# Altium PCB 400389.PcbDoc (part 3 of 8)
Units mm, origin at the board's own origin, x right, y up, seen from the top; angles counter-clockwise.
Board outline 155 x 63.5 mm, 4 copper layers (Top Layer, Mid-Layer 1, Mid-Layer 2, Bottom Layer), stack 1.54 mm thick; 437 components, 325 nets, 2173 pads, 2226 vias.
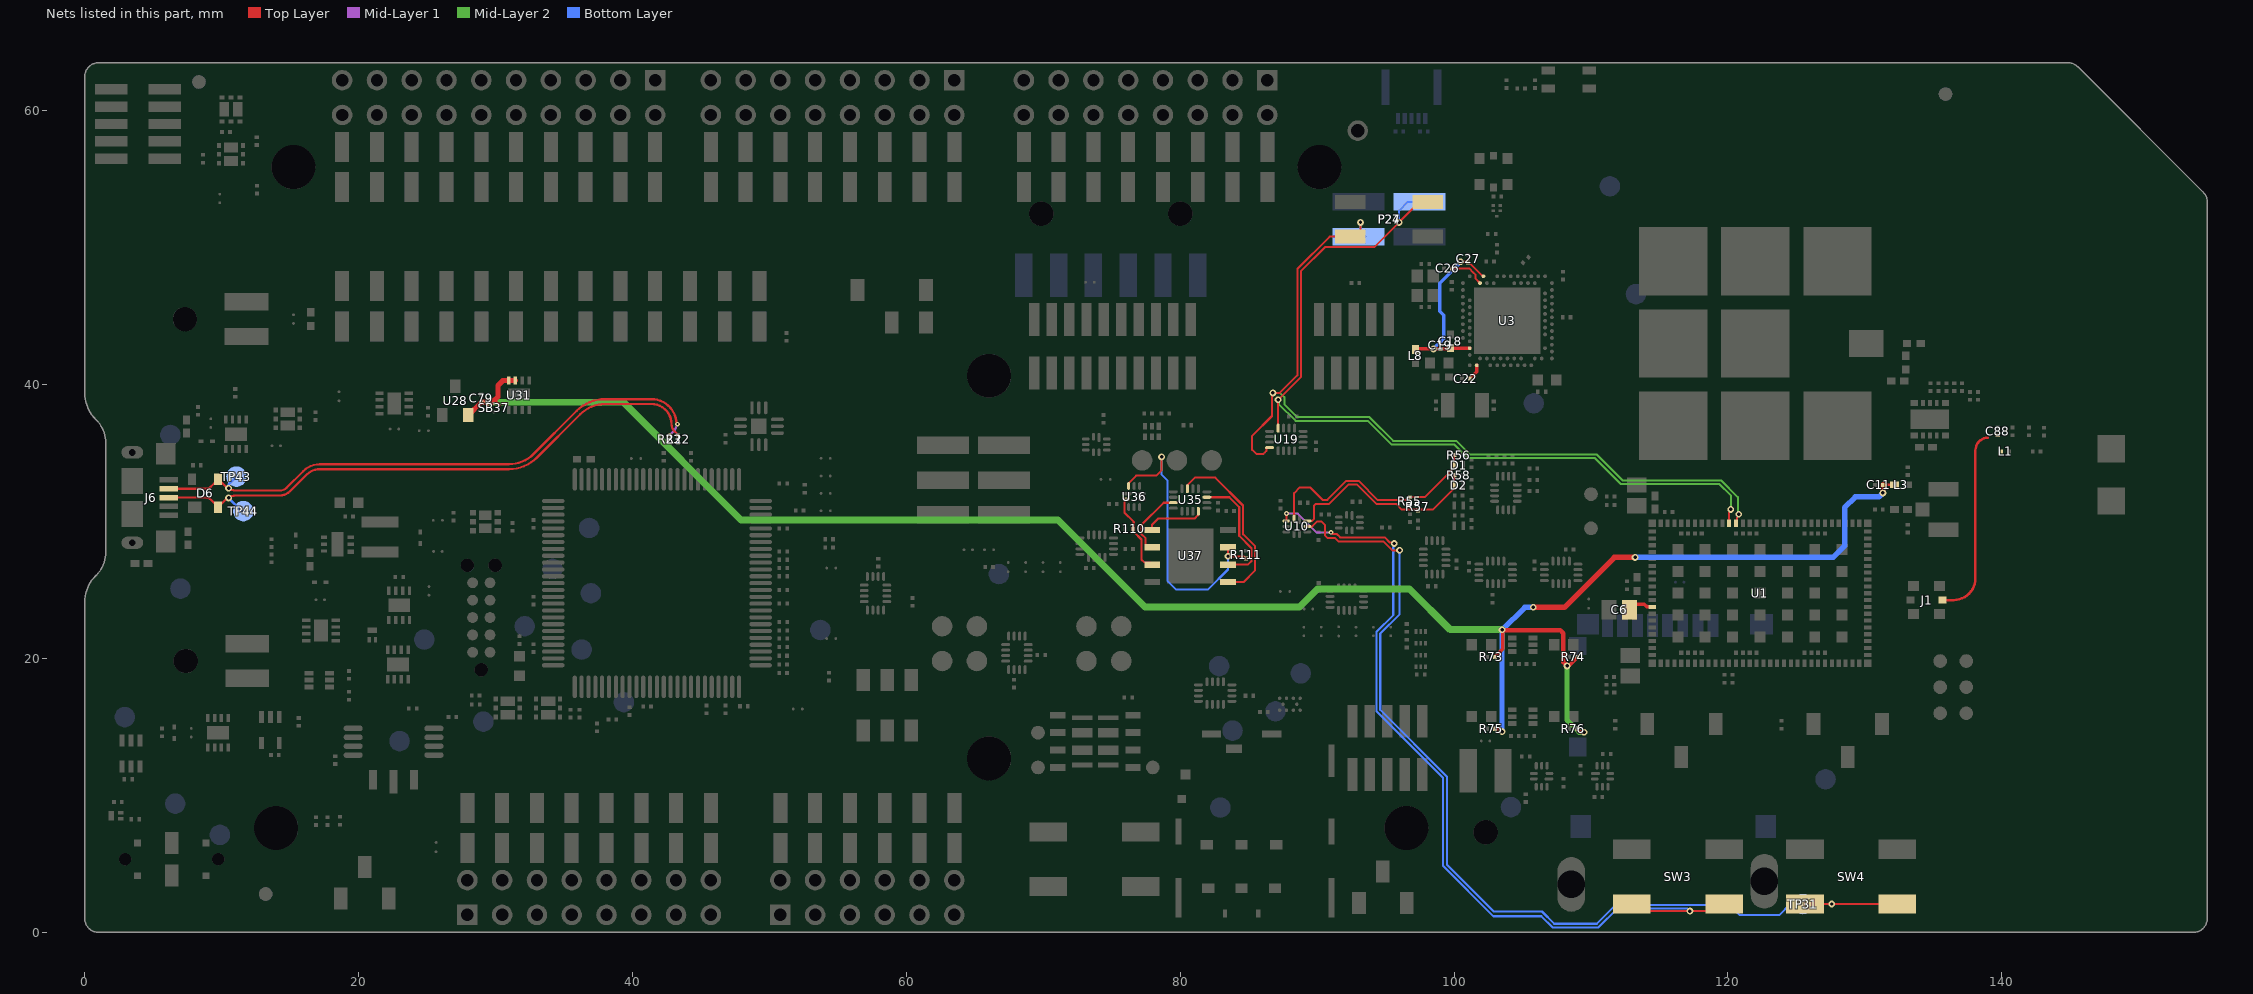
[diagram p5: the nets of this part, all layers, seen from the top]

## Part data (continued)
SW3 SW4 SW5: library part Switch-PB-6.2x6.3mm-SMD, "Tactile Switch, SPNO, SMD, 160gf, 6.2x6.3x2.5mm", Manufacturer=Dailywell, Manufacturer Part Number=TS604VM1-025BR-R, Part number IPS=00000007812, Part number Norautron=N.A., Artikkelnr Noca=50019106, Author=rsk, Component Class=Switches, ComponentLink1Description=Datasheet, ComponentLink1URL=N.A., ComponentLink2Description="Supplier link", ComponentLink2URL=N.A., Footprint Doc=Switch-PB-6.2x6.3mm-SMD, HelpURL=\\hizz\pro\app9717\Datasheet\switches\Dailywell\TS604VM1-025BR-R.pdf, LatestRevisionDate=2016-04-21, Note=N.A., Pad Count=4, Part Number=Switch-PB-6.2x6.3mm-SMD, PartId=101500001, Published=2010-02-01, Supplier 1=Cabcon, Supplier 2=Mouser, Supplier Part Number 1=TS604VM1-025BR-R, Supplier Part Number 2=688-SKHUALE010
SW6: "Slide Switch DPDT J Hook", Manufacturer="Copal Electronics Inc", Part number IPS=00000009983, Part number Norautron=N.A., Supplier Part Number 1=CAS220JTR-ND, Artikkelnr Noca=50019042, Author=rsk, Component Class=Switches, ComponentLink1Description=Datasheet, ComponentLink1URL=N.A., ComponentLink2Description="Supplier link", ComponentLink2URL=N.A., Footprint Doc=CAS-220TA, HelpURL=http://media.digikey.com/pdf/Data%20Sheets/COPAL%20Electronics%20PDFs/CAS%20SMD%20Slide%20Switch.pdf, LatestRevisionDate=2010-02-18, Manufacturer Part Number=CAS-220TA, Note=N.A., Pad Count=6, Part Number=CAS-220TA, PartId=101500003, Published=2010-02-18, Supplier 1=Digi-Key, Supplier 2=N.A., Supplier Part Number 2=N.A.
SW7 SW9: library part CJS-1200TA, "SMD slide Switch (ON-ON)", Manufacturer="Copal Electronics Inc", Part number IPS=00000009982, Part number Norautron=N.A., Supplier Part Number 1=563-1021-2-ND, Artikkelnr Noca=50019068, Author=rsk, Component Class=Switches, ComponentLink1Description=Datasheet, ComponentLink1URL=N.A., ComponentLink2Description="Supplier link", ComponentLink2URL=N.A., Footprint Doc=CJS-120xA, HelpURL=http://media.digikey.com/pdf/Data%20Sheets/COPAL%20Electronics%20PDFs/CJS.pdf, LatestRevisionDate=2012-10-03, Manufacturer Part Number=CJS-1200TA, Note=N.A., Pad Count=3, Part Number=CJS-1200TA, PartId=101500005, Published=2012-10-03, Supplier 1=Digi-Key, Supplier 2=N.A., Supplier Part Number 2=N.A.
SW8: library part Switch-Slide-RA-J-Lead-DPDT-8.5x3.5mm_C&K, "SMD slide Switch (ON-ON)", Manufacturer=C&K, Manufacturer Part Number=JS202011JAQN, Part number IPS=00000007811, Part number Norautron=N.A., Supplier Part Number 1=CKN10722CT-ND, Artikkelnr Noca=N.A., Author=rsk, Component Class=Switches, ComponentLink1Description=Datasheet, ComponentLink1URL=N.A., ComponentLink2Description="Supplier link", ComponentLink2URL=N.A., Footprint Doc=Switch-Slide-RA-J-Lead-DPDT-8.5x3.5mm, HelpURL=http://www.ck-components.com/media/1422/js.pdf, LatestRevisionDate=2017-02-01, Note=N.A., Pad Count=6, Part Number=Switch-Slide-RA-J-Lead-DPDT-8.5x3.5mm_C&K, PartId=101500037, Published=2016-09-15, Supplier 1=Digi-Key, Supplier 2=Mouser, Supplier Part Number 2=611-JS202011JAQN
TP2 TP3 TP4 TP5 TP6 TP7 TP8 TP9 TP34 TP35 TP36: library part TP_SMD_Ø1.0MM, "1.0mm circular SMD testpad", Manufacturer="Nordic Semiconductor", Manufacturer Part Number=N.A., Artikkelnr Noca=N.A., Author=rsk, Component Class=Connectors, ComponentLink1Description=Datasheet, ComponentLink1URL=N.A., ComponentLink2Description="Supplier link", ComponentLink2URL=N.A., Footprint Doc=TP_SMD_Ø1.0mm, HelpURL=N.A., LatestRevisionDate=2021-03-05, Note=N.A., Pad Count=1, Part Number=TP_SMD_Ø1.0MM, Part number IPS=N.A., Part number Norautron=N.A., PartId=100500475, Published=2013-06-11, Supplier 1=N.A., Supplier 2=N.A., Supplier Part Number 1=N.A., Supplier Part Number 2=N.A.
TP10 TP11 TP12 TP13 TP14 TP15 TP16 TP17 TP18 TP19 TP20 TP21 TP22 TP23 TP24 TP25 TP26 TP27 TP29 TP31 TP32 TP33 TP37 TP38 TP39 TP40 TP41 TP42 TP43 TP44 TP45 TP46 TP47 TP48 TP49 TP50 TP53 TP54 TP55 TP56 TP57: library part TP_SMD_Ø1.5MM, "1.5mm circular SMD testpad", Manufacturer="Nordic Semiconductor", Manufacturer Part Number=N.A., Artikkelnr Noca=N.A., Author=rsk, Component Class=Connectors, ComponentLink1Description=Datasheet, ComponentLink1URL=N.A., ComponentLink2Description="Supplier link", ComponentLink2URL=N.A., Footprint Doc=TP_SMD_Ø1.5mm, HelpURL=N.A., LatestRevisionDate=2021-03-05, Note=N.A., Pad Count=1, Part Number=TP_SMD_Ø1.5MM, Part number IPS=N.A., Part number Norautron=N.A., PartId=100500477, Published=2016-06-02, Supplier 1=N.A., Supplier 2=N.A., Supplier Part Number 1=N.A., Supplier Part Number 2=N.A.
TP51: library part "Testpoint TH", "Testpoint, through hole", Manufacturer=N.A., Artikkelnr Noca=N.A., Author=rsk, Component Class=Connectors, ComponentLink1Description=Datasheet, ComponentLink1URL=N.A., ComponentLink2Description="Supplier link", ComponentLink2URL=N.A., Footprint Doc=TESTPAD-TH, HelpURL=N.A., LatestRevisionDate=2009-12-12, Manufacturer Part Number=N.A., Note=N.A., Pad Count=1, Part Number="Testpoint TH", Part number IPS=N.A., Part number Norautron=N.A., PartId=100500464, Published=2009-12-12, Supplier 1=N.A., Supplier 2=N.A., Supplier Part Number 1=N.A., Supplier Part Number 2=N.A.
U1: "Low power System-in-Package with integrated LTE-M/NB-IoT modem and GPS", Manufacturer="Nordic Semiconductor", Part number IPS=80000002329, Part number Norautron=N.A., Artikkelnr Noca=N.A., Author=rsk, Component Class=nRF_Devices, ComponentLink1Description=Datasheet, ComponentLink1URL=N.A., ComponentLink2Description="Supplier link", ComponentLink2URL=N.A., Footprint Doc=LGA-161, HelpURL=N.A., LatestRevisionDate=2020-08-13, Manufacturer Part Number=nRF9160-SICAB1A, Note=N.A., Pad Count=161, Part Number=nRF9160-SICAB1A, PartId=102000165, Published=2020-08-13, Supplier 1="Nordic Semiconductor", Supplier 2=N.A., Supplier Part Number 1=nRF9160-SICAB1A, Supplier Part Number 2=N.A.
U2: "GNSS Low-Noise Amplifier Front-End Module with Integrated Pre-Filter and Post-Filter", Manufacturer=Skyworks, Part number IPS=00000002997, Part number Norautron=N.A., Supplier Part Number 1=863-2032-1-ND, Artikkelnr Noca=N.A., Author=rsk, Component Class=Misc_ICs, ComponentLink1Description=Datasheet, ComponentLink1URL=http://www.skyworksinc.com/uploads/documents/SKY65943_11_204404F.pdf, ComponentLink2Description="Supplier link", ComponentLink2URL=https://www.digikey.com/product-detail/en/skyworks-solutions-inc/SKY65943-11/863-2032-1-ND, Footprint Doc=MCM-10, HelpURL=http://www.skyworksinc.com/Product/3579/SKY65943-11, LatestRevisionDate=2019-04-16, Manufacturer Part Number=SKY65943-11, Note=N.A., Pad Count=10, Part Number=SKY65943-11, PartId=101900584, Published=2019-04-16, Supplier 1=Digi-Key, Supplier 2=Mouser, Supplier Part Number 2=873-SKY65943-11
U3: library part nRF52840-QIAAF0, "Multi-protocol Bluetooth Low Energy, IEEE 802.15.4, ANT and 2.4GHz proprietary system-on-chip", Manufacturer="Nordic Semiconductor", Part number IPS=80000002377, Part number Norautron=N.A., Artikkelnr Noca=N.A., Author=hany, Component Class=nRF_Devices, ComponentLink1Description=Datasheet, ComponentLink1URL=N.A., ComponentLink2Description="Supplier link", ComponentLink2URL=N.A., Footprint Doc=AQFN-73, HelpURL=N.A., LatestRevisionDate=2021-03-24, Manufacturer Part Number=nRF52840-QIAAF0, Note=N.A., Pad Count=73, Part Number=nRF52840-QIAAF0, PartId=102000222, Published=2021-03-24, Supplier 1="Nordic Semiconductor", Supplier 2=N.A., Supplier Part Number 1=nRF52840-QIAAF0, Supplier Part Number 2=N.A.
U4: "100MHz Cortex-M4F Performance MCU, 128kB Flash, 24kB SRAM, Full-Speed USB", Manufacturer="NXP Semiconductors", Part number IPS=00000001366, Part number Norautron=N.A., Supplier Part Number 1=MK22FN128VLL10-ND, Artikkelnr Noca=N.A., Author=rsk, Component Class=Misc_ICs, ComponentLink1Description=Datasheet, ComponentLink1URL=https://www.nxp.com/docs/en/data-sheet/K22P121M100SF9.pdf, ComponentLink2Description="Supplier link", ComponentLink2URL=https://www.digikey.no/products/en?keywords=MK22FN128VLL10, Footprint Doc=LQFP-100, HelpURL=https://www.nxp.com/part/MK22FN128VLL10#/, LatestRevisionDate=2021-02-13, Manufacturer Part Number=MK22FN128VLL10, Note=N.A., Pad Count=100, Part Number=MK22FN128VLL10, PartId=101900530, Published=2018-05-10, Supplier 1=Digi-Key, Supplier 2=Mouser, Supplier Part Number 2=841-MK22FN128VLL10
U5: "POWER DOWN FAULT PROTECTED,1.8VT", Manufacturer=Vishay, Manufacturer Part Number=DG2034EDN-T1-GE4, Part number IPS=00000001429, Part number Norautron=N.A., Supplier Part Number 1=DG2034EDN-T1-GE4CT-ND, Artikkelnr Noca=N.A., Author=rsk, Component Class=Misc_ICs, ComponentLink1Description=Datasheet, ComponentLink1URL=http://www.vishay.com/docs/73172/dg2034e.pdf, ComponentLink2Description="Supplier link", ComponentLink2URL=N.A., Footprint Doc=12-QFN, HelpURL=N.A., LatestRevisionDate=2018-05-30, Note=N.A., Pad Count=12, Part Number=DG2034EDN, PartId=101900536, Published=2018-05-30, Supplier 1=Digi-Key, Supplier 2=Mouser, Supplier Part Number 2=78-DG2034EDN-T1-GE4
U6 U7 U15 U16 U17 U18 U19 U35: "Data / Audio Low-Voltage Dual DPDT Analog Switch", Manufacturer="ON Semiconductor", Part number IPS=00000009986, Part number Norautron=N.A., Supplier Part Number 1=FSA2466UMXCT-ND, Artikkelnr Noca=15070069, Author=rsk, Component Class=Misc_ICs, ComponentLink1Description=Datasheet, ComponentLink1URL=N.A., ComponentLink2Description="Supplier link", ComponentLink2URL=N.A., Footprint Doc=UFQFN-16, HelpURL=https://www.onsemi.com/pub/Collateral/FSA2466-D.PDF, LatestRevisionDate=2019-05-15, Manufacturer Part Number=FSA2466UMX, Note=N.A., Pad Count=16, Part Number=FSA2466UMX, PartId=101900422, Published=2016-05-18, Supplier 1=Digi-Key, Supplier 2=Mouser, Supplier Part Number 2=512-FSA2466UMX
U8 U9 U10 U11 U14 U36: "Low-Voltage, Dual-SPDT analog Switch", Manufacturer="ON Semiconductor", Part number IPS=00000002998, Part number Norautron=N.A., Supplier Part Number 1=FSA2259UMXCT-ND, Artikkelnr Noca=N.A., Author=rsk, Component Class=Misc_ICs, ComponentLink1Description=Datasheet, ComponentLink1URL=N.A., ComponentLink2Description="Supplier link", ComponentLink2URL=N.A., Footprint Doc=UFQFN-10, HelpURL=https://www.onsemi.com/pub/Collateral/FSA2259-D.PDF, LatestRevisionDate=2019-05-15, Manufacturer Part Number=FSA2259UMX, Note=N.A., Pad Count=10, Part Number=FSA2259UMX, PartId=101900423, Published=2019-05-15, Supplier 1=Digi-Key, Supplier 2=N.A., Supplier Part Number 2=N.A.
U12 U21: library part NX3DV2567GU, "Low-ohmic four-pole double-throw analog switch", Manufacturer="NXP Semiconductors", Part number IPS=00000007816, Part number Norautron=N.A., Supplier Part Number 1=568-5206-1-ND, Artikkelnr Noca=15079317, Author=rsk, Component Class=Misc_ICs, ComponentLink1Description=Datasheet, ComponentLink1URL=N.A., ComponentLink2Description="Supplier link", ComponentLink2URL=N.A., Footprint Doc=XQFN-16, HelpURL=http://www.nxp.com/documents/data_sheet/NX3DV2567.pdf, LatestRevisionDate=2015-02-17, Manufacturer Part Number=NX3DV2567GU, Note=N.A., Pad Count=16, Part Number=NX3DV2567GU, PartId=101900290, Published=2015-02-17, Supplier 1=Digi-Key, Supplier 2=Mouser, Supplier Part Number 2=771-NX3DV2567GU115
U13: library part PCAL6408AHK, "8-bit I2C-bus I/O expander with interrupt output", Manufacturer="NXP Semiconductors", Part number IPS=00000009987, Part number Norautron=N.A., Supplier Part Number 1=568-9944-1-ND, Artikkelnr Noca=15079321, Author=rsk, Component Class=Misc_ICs, ComponentLink1Description=Datasheet, ComponentLink1URL=N.A., ComponentLink2Description="Supplier link", ComponentLink2URL=N.A., Footprint Doc=XQFN-16, HelpURL=http://www.nxp.com/documents/data_sheet/PCAL6408A.pdf, LatestRevisionDate=2015-04-29, Manufacturer Part Number=PCAL6408AHK, Note=N.A., Pad Count=16, Part Number=PCAL6408AHK, PartId=101900289, Published=2015-04-29, Supplier 1=Digi-Key, Supplier 2=Mouser, Supplier Part Number 2=771-PCAL6408AHKX
U20: library part M2M_UICC, "M2M UICC SIM Card", Manufacturer=N.A., Artikkelnr Noca=N.A., Assembly="Not mounted", Author=rsk, Component Class=Misc_ICs, ComponentLink1Description=Datasheet, ComponentLink1URL=N.A., ComponentLink2Description="Supplier link", ComponentLink2URL=N.A., Footprint Doc=SON-8, HelpURL=N.A., LatestRevisionDate=2019-10-22, Manufacturer Part Number=N.A., Note=N.A., Pad Count=8, Part Number=M2M_UICC, Part number IPS=N.A., Part number Norautron=N.A., PartId=101900595, Published=2019-10-22, Supplier 1=N.A., Supplier 2=N.A., Supplier Part Number 1=N.A., Supplier Part Number 2=N.A.
U22: library part 74LVC1G11GW, "Single 3-input AND gate", Manufacturer="NXP Semiconductors", Part number IPS=00000001430, Part number Norautron=N.A., Supplier Part Number 1=568-7757-1-ND, Artikkelnr Noca=15079348, Author=rsk, Component Class=Misc_ICs, ComponentLink1Description=Datasheet, ComponentLink1URL=N.A., ComponentLink2Description="Supplier link", ComponentLink2URL=N.A., Footprint Doc=SC70-6, HelpURL=http://www.nxp.com/documents/data_sheet/74LVC1G11.pdf, LatestRevisionDate=2016-10-18, Manufacturer Part Number=74LVC1G11GW, Note="Single 3-input AND gate", Pad Count=6, Part Number=74LVC1G11GW, PartId=101900157, Published=2016-10-18, Supplier 1=Digi-Key, Supplier 2=Farnell, Supplier Part Number 2=243-8826
U23: library part 74LVC1G08GW, "Single 2-Input AND Gate", Manufacturer="NXP Semiconductors", Part number IPS=00000009992, Part number Norautron=N.A., Supplier Part Number 1=568-1580-1-ND, Artikkelnr Noca=15049058, Author=rsk, Component Class=Misc_ICs, ComponentLink1Description=Datasheet, ComponentLink1URL=N.A., ComponentLink2Description="Supplier link", ComponentLink2URL=N.A., Footprint Doc=SC70-5, HelpURL=http://www.nxp.com/documents/data_sheet/74LVC1G08.pdf, LatestRevisionDate=2016-10-18, Manufacturer Part Number=74LVC1G08GW, Note="Single 2-Input AND Gate", Pad Count=5, Part Number=74LVC1G08GW, PartId=101900155, Published=2016-10-18, Supplier 1=Digi-Key, Supplier 2=Farnell, Supplier Part Number 2=242-8299
U24 U25 U26 U30 U31 U32 U33: "Logic Controlled, 1 A, High-Side Load Switch with Reverse Current Blocking", Manufacturer="Analog Devices", Part number IPS=00000002999, Part number Norautron=N.A., Supplier Part Number 1=ADP198ACPZ-R7CT-ND, Artikkelnr Noca=N.A., Author=rsk, Component Class=Misc_ICs, ComponentLink1Description=Datasheet, ComponentLink1URL=https://www.analog.com/media/en/technical-documentation/data-sheets/ADP198.pdf, ComponentLink2Description="Supplier link", ComponentLink2URL=N.A., Footprint Doc=UFDFN-8, HelpURL=N.A., LatestRevisionDate=2019-03-01, Manufacturer Part Number=ADP198ACPZ, Note=N.A., Pad Count=8, Part Number=ADP198ACPZ, PartId=101900577, Published=2019-03-01, Supplier 1=Digi-Key, Supplier 2=N.A., Supplier Part Number 2=N.A.
U27: library part XC9236F08CER-G, "600mA Driver Transistor Built-In, Synchronous Step-Down DC/DC Converters", Manufacturer="Torex Semiconductor", Part number IPS=00000009989, Part number Norautron=N.A., Supplier Part Number 1=865-XC9236F08CER-G, Artikkelnr Noca=N.A., Author=rsk, Component Class=Misc_ICs, ComponentLink1Description=Datasheet, ComponentLink1URL=N.A., ComponentLink2Description="Supplier link", ComponentLink2URL=N.A., Footprint Doc=USP-6C, HelpURL=http://www.torexsemi.com/products/dcdc_converters/data/XC9235~37.pdf, LatestRevisionDate=2017-11-15, Manufacturer Part Number=XC9236F08CER-G, Note=N.A., Pad Count=6, Part Number=XC9236F08CER-G, PartId=101900206, Published=2016-08-08, Supplier 1=Mouser, Supplier 2=N.A., Supplier Part Number 2=N.A.
U28: "300mA, Low Quiescent Current, Fast Transient Low Dropout Linear Regulator", Manufacturer="Diodes Incorporated", Part number IPS=00000001673, Part number Norautron=N.A., Supplier Part Number 1=AP7333-33SAG-7DICT-ND, Artikkelnr Noca=17039216, Author=rsk, Component Class=Misc_ICs, ComponentLink1Description=Datasheet, ComponentLink1URL=N.A., ComponentLink2Description="Supplier link", ComponentLink2URL=N.A., Footprint Doc=SOT-23-3, HelpURL=http://www.diodes.com/datasheets/AP7333.pdf, LatestRevisionDate=2012-06-15, Manufacturer Part Number=AP7333-33SAG-7, Note=N.A., Pad Count=3, Part Number=AP7333-33SAG-7, PartId=101900020, Published=2012-06-15, Supplier 1=Digi-Key, Supplier 2=N.A., Supplier Part Number 2=N.A.
U29: "Precision very low power CMOS dual operational amplifier", Manufacturer=STMicroelectronics, Part number IPS=00000009991, Part number Norautron=N.A., Supplier Part Number 1=497-8085-1-ND, Artikkelnr Noca=17010019, Author=rsk, Component Class=Misc_ICs, ComponentLink1Description=Datasheet, ComponentLink1URL=N.A., ComponentLink2Description="Supplier link", ComponentLink2URL=N.A., Footprint Doc=TSSOP-8, HelpURL=http://www.st.com/content/ccc/resource/technical/document/datasheet/38/5b/ca/bd/c0/26/4a/34/CD00000880.pdf/files/CD00000880.pdf/jcr:content/translations/en.CD00000880.pdf, LatestRevisionDate=2016-07-07, Manufacturer Part Number=TS27L2IPT, Note=N.A., Pad Count=8, Part Number=TS27L2IPT, PartId=101900442, Published=2016-07-07, Supplier 1=Digi-Key, Supplier 2=N.A., Supplier Part Number 2=N.A.
U34: "Low-Voltage, SPDT Analog Switch, 1.65 V to 5.5 V", Manufacturer="ON Semiconductor", Part number IPS=00000003748, Part number Norautron=N.A., Supplier Part Number 1=FSA4157L6XCT-ND, Artikkelnr Noca=N.A., Author=rsk, Component Class=Misc_ICs, ComponentLink1Description=Datasheet, ComponentLink1URL=https://www.onsemi.com/pub/Collateral/FSA4157-D.pdf, ComponentLink2Description="Supplier link", ComponentLink2URL=https://www.digikey.com/product-detail/en/on-semiconductor/FSA4157L6X/FSA4157L6XCT-ND/821004, Footprint Doc=UFDFN-6, HelpURL=https://www.onsemi.com/pub/Collateral/FSA4157-D.pdf, LatestRevisionDate=2020-04-29, Manufacturer Part Number=FSA4157L6X, Note=N.A., Pad Count=6, Part Number=FSA4157L6X, PartId=101900593, Published=2019-10-22, Supplier 1=Digi-Key, Supplier 2=Mouser, Supplier Part Number 2=512-FSA4157L6X
U37: "Ultra low power, 64M-bit, serial multi I/O flash memory", Manufacturer=Macronix, Part number IPS=00000004370, Part number Norautron=N.A., Artikkelnr Noca=15020015, Author=rsk, Component Class=Misc_ICs, ComponentLink1Description=Datasheet, ComponentLink1URL=N.A., ComponentLink2Description="Supplier link", ComponentLink2URL=N.A., Footprint Doc=WSON-8, HelpURL=https://www.macronix.com/Lists/Datasheet/Attachments/7913/MX25R6435F,%20Wide%20Range,%2064Mb,%20v1.5.pdf, LatestRevisionDate=2021-02-26, Manufacturer Part Number=MX25R6435FZNIL0, Note=N.A., Pad Count=8, Part Number=MX25R6435FZNIL0, PartId=101900438, Published=2016-06-29, Supplier 1=Future, Supplier 2=Arrow, Supplier Part Number 1=MX25R6435FZNIL0, Supplier Part Number 2=MX25R6435FZNIL0
X1: library part XTAL_SMD2016_32MHz_8pF_Golledge, "XTAL SMD 2016, 32MHz, Cl=8pF, Tol: ±10ppm, Stab: ±15ppm", Manufacturer=Golledge, Manufacturer Part Number=MP06003, Part number IPS=00000001431, Part number Norautron=N.A., Artikkelnr Noca=22010050, Author=rsk, Component Class=Oscillators, ComponentLink1Description=Datasheet, ComponentLink1URL=N.A., ComponentLink2Description="Supplier link", ComponentLink2URL=N.A., Footprint Doc=XTAL_2016, HelpURL=\\hizz\pro\app9717\Datasheet\crystals\Golledge\mp06003.pdf, LatestRevisionDate=2016-11-02, Note="XTAL SMD 32.000MHz", Pad Count=4, Part Number=XTAL_SMD2016_32MHz_8pF_Golledge, PartId=101600041, Published=2016-11-02, Supplier 1="Link Nordic", Supplier 2=N.A., Supplier Part Number 1=N.A., Supplier Part Number 2=N.A.
X2: library part XTAL_SMD3215_32.768kHz_9pF_NDK, "XTAL SMD 3215, 32.768kHz, 9pF, ±20ppm", Manufacturer=NDK, Manufacturer Part Number=NX3215SA-32.768K-STD-MUA-9, Part number IPS=00000005419, Part number Norautron=N.A., Artikkelnr Noca=22010049, Author=rsk, Component Class=Oscillators, ComponentLink1Description=Datasheet, ComponentLink1URL=N.A., ComponentLink2Description="Supplier link", ComponentLink2URL=N.A., Footprint Doc=XTAL_3215, HelpURL=N.A., LatestRevisionDate=2017-10-23, Note="XTAL SMD 32.768kHz", Pad Count=2, Part Number=XTAL_SMD3215_32.768kHz_9pF_NDK, PartId=101600019, Published=2017-10-23, Supplier 1=N.A., Supplier 2=N.A., Supplier Part Number 1=N.A., Supplier Part Number 2=N.A.
Y1: library part "SHUNT JUMPER 2.54mm BLACK GOLD Horizontal (Obsolete)", "Shunt Jumper 2.54mm Black", Manufacturer=N.A., Part number IPS=00000001916, Supplier Part Number 1="S9001-ND, or similar", Artikkelnr Noca=56099001, Assembly="Placed on P22", Author=rsk, Component Class=Connectors, ComponentLink1Description=Datasheet, ComponentLink1URL=N.A., ComponentLink2Description="Supplier link", ComponentLink2URL=N.A., Footprint Doc="SHUNT JUMPER 2.54mm", HelpURL=N.A., LatestRevisionDate=2021-06-28, Manufacturer Part Number=N.A., Note="SHUNT JUMPER .1\" BLACK GOLD, h=6.00mm, w=5.00mm", Pad Count=2, Part Number="SHUNT JUMPER 2.54mm BLACK GOLD Horizontal (Obsolete)", Part number Norautron=N.A., PartId=100500644, Published=2019-09-04, Supplier 1=Digi-Key, Supplier 2=N.A., Supplier Part Number 2=N.A.
Y2: library part "SHUNT JUMPER 2.54mm BLACK GOLD Horizontal (obsolete)", "Shunt Jumper 2.54mm Black", Manufacturer=N.A., Part Number="SHUNT JUMPER 2.54mm BLACK GOLD Horizontal (Obsolete)", Part number IPS=00000001916, Supplier Part Number 1="S9001-ND, or similar", Artikkelnr Noca=56099001, Assembly="Placed on P30", Author=rsk, Component Class=Connectors, ComponentLink1Description=Datasheet, ComponentLink1URL=N.A., ComponentLink2Description="Supplier link", ComponentLink2URL=N.A., Footprint Doc="SHUNT JUMPER 2.54mm", HelpURL=N.A., LatestRevisionDate=2021-06-28, Manufacturer Part Number=N.A., Note="SHUNT JUMPER .1\" BLACK GOLD, h=6.00mm, w=5.00mm", Pad Count=2, Part number Norautron=N.A., PartId=100500644, Published=2019-09-04, Supplier 1=Digi-Key, Supplier 2=N.A., Supplier Part Number 2=N.A.

## Free pads (board coordinates)
  round 3.2 hole 3.2 unplated: 1(13.97,7.621) 1(15.24,55.881) 1(66.04,12.701) 1(66.04,40.641) 1(90.17,55.881) 1(96.52,7.621)
  oval 2x4 hole 2 slot 4 at 90 deg unplated: 1(108.561,3.5) 1(122.661,3.725)
  round 0.35 on Mech16: 2(9.296,14.555) 2(10.16,14.581) 2(10.554,36.348) 2(11.443,36.374) 2(17.247,22.582) 2(17.272,21.54) 2(18.453,28.345) 2(22.352,19.559) 2(22.454,23.852) 2(22.589,38.253) 2(22.589,39.066) 2(23.292,19.559) 2(23.419,23.902) 2(31.166,39.219) 2(32.199,39.219) 2(42.732,36.28) 2(70.612,44.75) 2(79.884,2.527) 2(79.884,7.377) 2(80.384,11.527) 2(81.939,6.397) 2(82.039,3.227) 2(82.279,14.477) 2(83.259,1.377) 2(84.479,3.227) 2(85.699,1.377) 2(86.679,14.477) 2(86.919,3.227) 2(87.019,6.397) 2(91.059,2.527) 2(91.059,7.377) 2(91.059,12.527) 2(99.83,47.486) 2(100.644,43.411) 2(100.644,43.911) 2(101.144,43.161) 2(101.144,43.661) 2(101.144,44.161) 2(101.144,44.661) 2(101.144,45.161) 2(101.144,45.661) 2(101.144,46.161) 2(101.848,56.45) 2(101.852,54.535) 2(102.894,41.911) 2(103.394,41.911) 2(103.42,53.723) 2(103.894,41.911) 2(103.898,54.55) 2(103.898,56.45) 2(104.394,41.911) 2(104.394,47.411) 2(104.894,41.911) 2(104.894,47.411) 2(105.394,47.411) 2(105.894,47.411) 2(106.644,46.161) 2(106.644,43.661) 2(106.644,44.161) 2(106.644,44.661) 2(106.644,45.161) 2(106.644,46.661) 2(111.136,17.507) 2(111.145,31.217) 2(111.145,31.826) 2(111.315,23.56) 2(111.696,17.507) 2(112.619,25.628) 2(112.861,20.228) 2(113.335,31.152) 2(113.347,25.926) 2(114.47,19.644) 2(114.47,21.764) 2(114.47,23.264) 2(114.47,24.764) 2(114.47,25.764) 2(114.47,26.264) 2(114.47,26.764) 2(114.47,27.264) 2(114.47,27.764) 2(114.47,29.884) 2(116.34,21.564) 2(116.34,23.164) 2(116.34,24.764) 2(116.34,26.364) 2(116.34,27.964) 2(117.09,29.884) 2(117.59,19.644) 2(118.34,23.164) 2(118.34,24.764) 2(118.34,26.364) 2(118.34,27.964) 2(118.34,21.564) 2(119.09,29.884) 2(119.59,19.644) 2(120.34,23.164) 2(120.34,24.764) 2(120.34,26.364) 2(120.34,27.964) 2(120.34,21.564) 2(121.09,29.884) 2(122.09,19.644) 2(122.34,23.164) 2(122.34,24.764) 2(122.34,26.364) 2(122.34,27.964) 2(122.34,21.564) 2(123.59,29.884) 2(124.34,23.164) 2(124.34,24.764) 2(124.34,26.364) 2(124.34,27.964) 2(124.34,21.564) 2(124.59,19.644) 2(125.09,29.884) 2(125.59,29.884) 2(126.09,19.644) 2(126.09,29.884) 2(126.34,23.164) 2(126.34,24.764) 2(126.34,26.364) 2(126.34,27.964) 2(126.34,21.564) 2(126.59,29.884) 2(127.09,29.884) 2(127.59,19.644) 2(127.59,29.884) 2(128.09,29.884) 2(128.34,23.164) 2(128.34,24.764) 2(128.34,26.364) 2(128.34,27.964) 2(128.34,21.564) 2(128.59,29.884) 2(129.09,19.644) 2(129.09,29.884) 2(130.21,19.644) 2(130.21,21.764) 2(130.21,23.764) 2(130.21,24.764) 2(130.21,25.264) 2(130.21,26.264) 2(130.21,26.764) 2(130.21,27.764) 2(130.21,28.264) 2(130.21,29.884) 2(133.55,23.239) 2(133.55,25.289) 2(133.847,37.165) 2(133.847,37.765) 2(134.447,37.165) 2(134.447,37.765) 2(135.047,37.165) 2(135.047,37.765) 2(135.45,23.239) 2(135.45,25.289) 2(135.647,37.165) 2(135.647,37.765)
  round 0.5 on Mech16: 2(71.857,45.136)
  rect 1x1.6 smd: 3(61.428,44.52)

## Via types
v1: diameter 0.5, hole 0.25, Top Layer to Bottom Layer, tented both sides, 1778 vias
v2: diameter 0.35, hole 0.15, Top Layer to Mid-Layer 1, tented both sides, 369 vias
v3: diameter 0.35, hole 0.15, Top Layer to Mid-Layer 1, tented top, 49 vias
v4: diameter 0.61, hole 0.305, Top Layer to Bottom Layer, tented both sides, 29 vias
v5: diameter 0.5, hole 0.25, Top Layer to Mid-Layer 1, tented both sides, 1 vias

## Nets (pads, with @x,y where several pads share a name; then routed paths per layer and width w, separated by ;. In a path a pad name is that pad's centre, name@x,y a point inside that pad or via, vN(x,y) a via of type N, cw(c..) or ccw(c..) an arc to the next point about the centre after c; other vN are vias at no path point)
3V3: C11.2 C79.1 L3.1 R73.2 R74.2 R75.2 R76.2 SB37.1 U28.2 U31.7 U31.8 | length 146.6
  Top Layer w0.152: v1(29.439,38.711) 29.615,38.711 29.631,38.711 v1@29.656,38.736
  Top Layer w0.2: C11.2@131.315,32.68 131.318,32.68 L3.1@132.155,32.68
  Top Layer w0.254: R75.2@102.984,14.868 102.987,14.865 103.296,14.865 v1(103.505,14.656) ; R73.2@102.984,20.118 102.984,20.133 102.992,20.141 103.007,20.141 103.556,20.691 v1@103.556,22.073 ; v1(108.255,19.456) 108.393,19.456 108.976,20.039 108.976,20.11 R74.2@108.984,20.118 ; R76.2@108.984,14.868 109.247,14.605 v1(109.499,14.605)
  Top Layer w0.33: v1@103.556,22.073 107.747,22.073 107.973,21.847 107.973,19.739 v1(108.255,19.456)
  Top Layer w0.381: U28.2@28.03,37.779 C79.1@28.956,38.705 28.962,38.711 v1(29.439,38.711) ; v1@29.631,38.711 29.776,38.711 29.857,38.791 30.175,39.109 30.175,39.938 30.531,40.294 U31.8@30.949,40.294 U31.7@31.449,40.294 ; v1(131.318,32.09) C11.2@131.318,32.68
  Top Layer w0.4: v1(105.778,23.737) 108.06,23.737 111.7,27.377 v1(113.216,27.377)
  Top Layer w0.508: U28.2@28.001,37.779 U28.2@28.03,37.779
  Mid-Layer 2 w0.381: v1(108.255,19.456) 108.255,15.495 109.145,14.605 v1(109.499,14.605)
  Mid-Layer 2 w0.508: v1(29.439,38.711) 39.344,38.711 47.93,30.124 71.069,30.124 77.432,23.761 88.702,23.761 90.01,25.07 96.749,25.07 99.72,22.098 v1(103.505,22.098)
  Bottom Layer w0.381: v1(103.505,14.656) v1@103.505,22.073
  Bottom Layer w0.4: v1@103.505,22.073 105.17,23.737 v1(105.778,23.737) ; v1@113.216,27.375 127.675,27.375 128.524,28.224 128.524,31.013 129.304,31.793 131.021,31.793 v1(131.318,32.09)
ANT: C88.2 J1.3 L1.1 | length 14.1
  Top Layer w0.191: J1.3@135.66,24.264 136.481,24.264 ccw(c136.481,25.858) 138.074,25.858 138.074,35.207 cw(c138.984,35.207) 138.984,36.117
BTN1_EXT: D1.1 R55.1 R56.2 U10.2 | length 17.1
  Top Layer w0.15: U10.2@88.319,30.211 88.319,32.073 88.743,32.496 89.474,32.496 90.388,31.583 90.747,31.583 92.13,32.966 93.034,32.966 94.436,31.564 96.448,31.564 96.622,31.737 R55.1@96.774,31.737 ; R55.1@96.774,31.781 97.87,31.781 100.005,33.916 R56.2@100.005,34.809
BTN2_EXT: D2.1 R57.1 R58.2 U10.10 | length 14.7
  Top Layer w0.15: U10.10@89.288,30.042 89.623,30.042 89.76,30.179 89.76,31.137 89.911,31.288 90.869,31.288 92.272,32.691 92.92,32.691 94.322,31.289 95.762,31.289 96.18,30.871 98.443,30.871 100.005,32.433 R58.2@100.005,33.336
BUTTON1: SW3.2 U10.3 | length 63.3
  Top Layer w0.15: U10.3@87.75,30.042 87.75,30.575 v2(87.757,30.582) ; v2(91.008,29.21) 91.131,29.087 91.432,29.087 91.677,28.842 94.935,28.842 95.32,28.458 95.571,28.458 v1(95.631,28.397) ; SW3.2@112.928,2.108 SW3.2@112.971,2.065 113.487,1.549 v1(117.221,1.549) 119.205,1.549 SW3.2@119.721,2.065 119.756,2.1 SW3.2@119.773,2.083
  Mid-Layer 1 w0.15: v2(87.757,30.582) 88.588,30.582 89.979,29.191 89.992,29.204 90.004,29.191 90.336,29.191 90.355,29.21 v2(91.008,29.21)
  Bottom Layer w0.15: v1(95.631,28.397) 95.564,28.33 95.564,28.144 95.555,28.134 95.555,23.161 94.332,21.939 94.332,16.132 99.198,11.266 99.198,4.842 102.866,1.174 106.376,1.174 107.2,0.35 110.542,0.35 111.917,1.725 117.045,1.725 v1(117.221,1.549)
BUTTON2: SW4.2 TP31.1 U10.9 | length 71.6
  Top Layer w0.15: U10.9@89.288,29.642 89.64,29.642 90.01,30.011 90.308,30.011 90.565,29.755 90.565,28.993 90.766,28.792 91.31,28.792 91.555,28.547 94.841,28.547 95.492,27.896 v1(96.019,27.896) ; SW4.2@124.909,2.065 v1(127.584,2.065) SW4.2@131.659,2.065
  Bottom Layer w0.15: v1(96.019,27.896) 96.019,23.237 94.607,21.825 94.607,16.246 99.473,11.38 99.473,4.956 102.909,1.52 106.419,1.52 107.314,0.625 110.428,0.625 111.803,2 120.1,2 120.85,1.25 123.75,1.25 124.565,2.065 TP31.1@125.476,2.065 v1(127.584,2.065)
COEX1: P24.2 P27.1 U1.92 U19.4 | length 64
  Top Layer w0.15: U19.4@87.15,36.816 v1(87.15,38.887) 88.828,40.566 88.828,48.301 90.572,50.044 94.176,50.044 97.472,53.341 P24.2@98.075,53.341 ; U1.92@120.09,29.884 v1@120.09,30.672
  Mid-Layer 2 w0.15: v1(87.15,38.887) 87.207,38.83 87.207,38.573 88.43,37.351 93.705,37.351 95.44,35.616 100.031,35.616 101.015,34.631 110.289,34.631 112.186,32.735 119.382,32.735 120.21,31.907 v1(120.21,30.886)
  Bottom Layer w0.15: v1@95.987,51.855 95.987,52.705 96.623,53.341 P27.1@97.473,53.341
  other v1: 95.987,51.841
COEX2: P24.3 P27.4 U1.91 U19.8 | length 62.9
  Top Layer w0.15: U19.8@86.525,35.391 86.329,35.391 86.296,35.359 86.296,35.167 86.164,35.035 86.164,35.031 86.071,34.938 85.558,34.938 85.255,35.241 85.255,36.258 86.7,37.703 86.7,39.329 v1(86.766,39.395) 87.269,39.395 88.553,40.68 88.553,48.443 90.911,50.801 P24.3@92.425,50.801 ; P24.3@92.933,50.801 93.167,51.035 v1(93.167,51.841) ; U1.91@120.59,29.884 120.645,29.938 120.645,30.287
  Mid-Layer 2 w0.15: v1(86.766,39.395) 87.278,39.395 87.6,39.074 87.6,38.57 88.544,37.626 93.819,37.626 95.554,35.891 100.145,35.891 101.129,34.906 110.403,34.906 112.3,33.01 119.495,33.01 120.727,31.779 120.727,30.598 v1(120.794,30.531)
  Bottom Layer w0.15: v1(93.167,51.841) 93.167,51.169 P27.4@93.536,50.801
D_N: D6.3 J6.2 R23.1 TP43.1 | length 43.1
  Top Layer w0.165: J6.2@6.232,32.399 8.842,32.399 ccw(c8.842,32.907) 9.201,32.547 D6.3@9.736,33.083 ; D6.3@9.746,33.1 9.749,33.097 9.812,33.034 9.939,32.907 10.003,32.843 10.067,32.78 10.256,32.591 ccw(c11.054,33.389) 11.023,32.261 ; 11.046,32.26 14.268,32.26 ccw(c14.258,32.936) 14.736,32.458 15.945,33.667 ; 15.942,33.67 cw(c17.178,32.434) 17.168,34.182 ; 17.169,34.182 cw(c17.178,32.434) 17.178,34.182 30.971,34.182 ccw(c30.971,36.722) 32.767,34.926 35.932,38.091 cw(c37.977,36.046) 37.977,38.938 41.386,38.938 cw(c41.386,37.116) v2@43.208,37.116
  Mid-Layer 1 w0.165: v2(42.732,36.28) cw(c42.83,36.28) 42.761,36.349 42.996,36.584 ccw(c42.465,37.116) v2@43.216,37.116
  Bottom Layer w0.165: v1(10.5,32.435) 10.5,32.702 TP43.1@11.074,33.276
  other v2: 43.282,37.109
D_P: D6.2 J6.3 R22.1 TP44.1 | length 42.9
  Top Layer w0.165: J6.3@6.232,31.751 8.842,31.751 cw(c8.842,31.243) 9.201,31.602 D6.2@9.746,31.056 ; D6.2@9.746,31.063 10.256,31.572 ; 10.256,31.572 cw(c11.053,30.774) 11.053,31.902 14.252,31.902 ccw(c14.252,32.945) 14.989,32.208 16.212,33.431 ; 16.207,33.426 cw(c17.168,32.465) 16.212,33.431 ; R22.1@43.334,36.28 ccw(c43.236,36.28) 43.305,36.349 43.07,36.584 cw(c43.602,37.116) 42.85,37.116 ccw(c41.386,37.116) 41.386,38.58 37.98,38.58 ccw(c37.98,36.04) 36.184,37.836 33.018,34.671 cw(c30.973,36.715) 30.973,33.824 17.168,33.824 ccw(c17.168,32.465) 16.217,33.436 ; 16.212,33.431 cw(c17.168,32.465) 16.217,33.436 ; 16.212,33.431 16.217,33.436
  Bottom Layer w0.165: v1(10.5,31.725) 11.465,30.76 TP44.1@11.582,30.76
DEC0: C6.1 U1.13 | length 2.7
  Top Layer w0.254: C6.1@112.612,23.612 C6.1@112.815,23.612 ; C6.1@112.616,23.335 112.815,23.534 C6.1@112.815,23.23 ; C6.1@112.815,23.56 113.207,23.952 113.898,23.952 114.086,23.764 U1.13@114.47,23.764
DEC1: C22.2 U3.C1 | length 1.2
  Top Layer w0.254: C22.2@101.148,40.437 101.148,40.452 101.156,40.46 101.171,40.46 101.644,40.932 U3.C1@101.644,41.411
DEC3: C26.1 U3.D23 | length 2.7
  Top Layer w0.145: C26.1@99.828,48.489 101.091,48.489 101.409,48.171
  Top Layer w0.15: 101.409,48.171 101.569,48.011 101.569,47.742 U3.D23@101.894,47.417
DEC4_6: C18.2 C19.2 C27.2 L8.1 U3.B5 U3.E24 | length 13.5
  Top Layer w0.15: v1(100.457,48.971) 101.026,48.971 102.086,47.911 U3.E24@102.144,47.911
  Top Layer w0.254: L8.1@97.17,42.571 97.203,42.604 v1(98.49,42.604) 99.676,42.604 C18.2@99.735,42.662 99.736,42.661 U3.B5@101.144,42.661
  Bottom Layer w0.254: v1(98.49,42.604) 99.231,43.345 99.231,45.076 98.939,45.368 98.939,47.394 v1@100.487,48.942
EXT_MEM_C\S\: U35.12 U37.1 | length 4.3
  Top Layer w0.152: U37.1@77.951,29.388 77.951,29.778 78.394,30.221 81.05,30.221 81.287,30.458 81.287,30.48 81.321,30.514 U35.12@81.321,30.747
EXT_MEM_MISO: U35.7 U37.2 | length 5.2
  Top Layer w0.152: U37.2@77.951,28.118 77.601,28.118 77.452,28.267 77.452,28.802 77.175,29.079 77.175,29.753 78.794,31.372 U35.7@79.496,31.372
EXT_MEM_MOSI: U35.3 U37.5 | length 12.8
  Top Layer w0.152: U35.3@80.521,32.397 80.521,32.652 81.069,33.201 82.557,33.201 84.588,31.17 84.588,29.277 84.589,29.276 84.589,29.062 85.469,28.182 85.469,26.429 84.618,25.578 U37.5@83.491,25.578
EXT_MEM_R\E\S\E\T\: R111.1 U36.10 U37.7 | length 21.5
  Top Layer w0.15: U36.10@76.232,32.595 76.232,32.806 76.777,33.352 78.251,33.352 78.638,33.739 v1(78.638,34.722) ; U37.7@83.491,28.118 v1(83.491,27.459) 84.637,27.459 84.725,27.371 84.725,27.365 84.785,27.305 R111.1@84.8,27.305
  Bottom Layer w0.15: v1(78.638,34.722) 78.638,33.425 79.083,32.98 79.083,25.641 79.68,25.044 82.042,25.044 83.491,26.493 v1(83.491,27.459)
EXT_MEM_SCK: U35.15 U37.6 | length 8.8
  Top Layer w0.152: U35.15@81.946,31.772 83.593,31.772 84.311,31.055 84.311,28.949 85.192,28.067 85.192,27.096 84.943,26.848 U37.6@83.491,26.848
EXT_MEM_W\P\: R110.1 U36.2 U37.3 | length 6
  Top Layer w0.152: U36.2@76.063,31.626 75.952,31.626 75.918,31.593 75.918,30.66 76.605,29.973 76.605,29.463 76.614,29.454 76.614,29.248 77.175,28.687 77.175,27.219 77.397,26.997 77.802,26.997 U37.3@77.951,26.848